# Altium PCB GSM.PcbDoc (part 1 of 2) (continued)
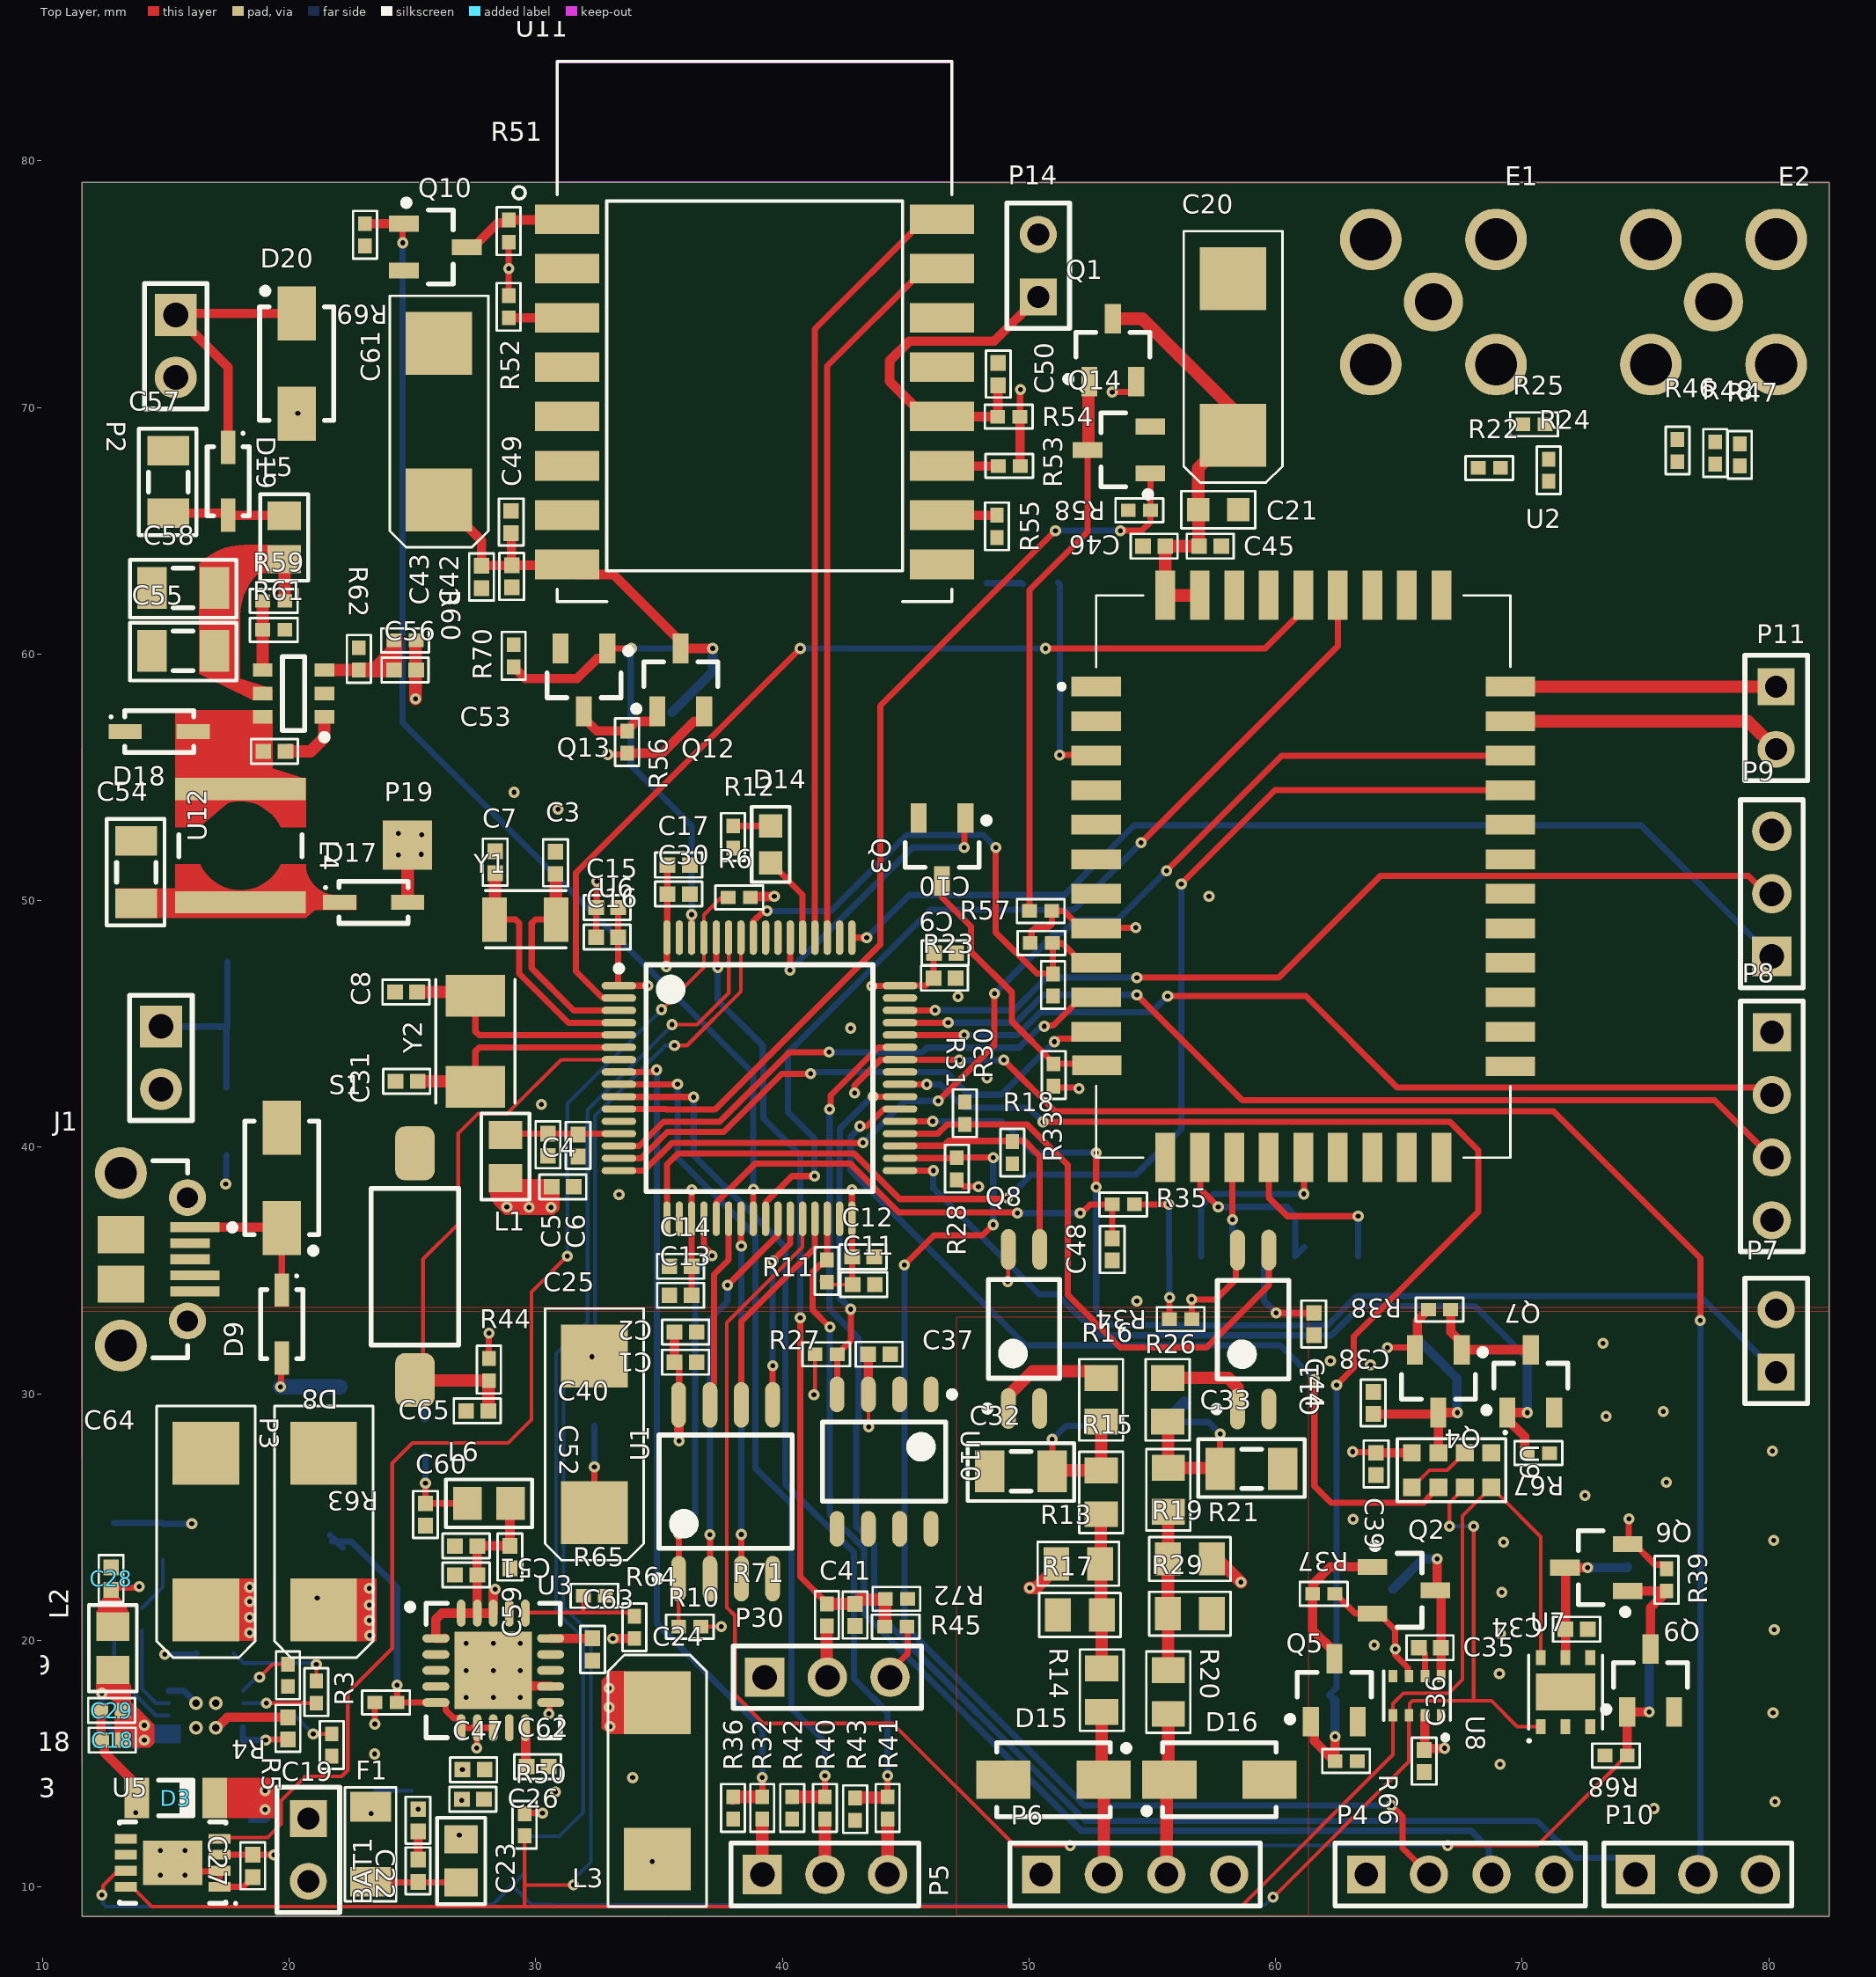
[diagram p0: Top Layer view]
## Components (designator, comment, footprint, x,y, rotation, side; value= is the part's Value field where it differs from the comment) (continued)
R22 "Res_0R" R0402 68.668,67.541 r0 top value=0R
R23 "Res_4k7" R0402 50.5,48.275 r180 top value=4k7
R24 "Res_0R" R0402 71.075,67.45 r90 top value=0R
R25 "Res_0R" R0402 70.481,69.316 r0 top value=0R
R26 "Res_1K2" R0805 55.625,29.75 r90 top value=1K2
R27 "Res_4k7" R0402 41.8,34.975 r270 top value=4k7
R28 "Res_4k7" R0402 47.075,39.125 r270 top value=4k7
R29 "Res_4k7" R0805 56.525,21.075 r180 top value=4k7
R30 "Res_4k7" R0402 50.975,46.575 r90 top value=4k7
R31 "Res_4k7" R0402 47.4,41.375 r270 top value=4k7
R32 "Res_10K" R0402 39.185,13.2 r270 top value=10K
R33 "Res_1K" R0402 51,42.925 r270 top value=1K
R34 "Res_10K" R0402 56.15,33.025 r0 top value=10K
R35 "Res_1K" R0402 53.825,37.675 r180 top value=1K
R36 "Res_10K" R0402 38,13.2 r90 top value=10K
R37 "Res_1K" R0402 61.952,21.883 r0 top value=1K
R38 "Res_1K" R0402 66.65,33.407 r180 top value=1K
R39 "Res_1K" R0402 75.857,22.447 r90 top value=1K
R40 "Res_10K" R0402 41.725,13.2 r270 top value=10K
R41 "Res_10K" R0402 44.265,13.2 r270 top value=10K
R42 "Res_10K" R0402 40.4,13.2 r90 top value=10K
R43 "Res_10K" R0402 42.95,13.15 r90 top value=10K
R44 "Res_10K" R0402 28.1,30.975 r90 top value=10K
R45 "Res_10K" R0402 44.6,20.55 r0 top value=10K
R46 "Res_0R" R0402 76.3,68.25 r90 top value=0R
R47 "Res_0R" R0402 78.825,68.075 r90 top value=0R
R48 "Res_0R" R0402 77.825,68.15 r90 top value=0R
R49 "Res_4k7" R0402 29.55,12.5 r90 bottom value=4k7
R50 "Res_4k7" R0402 29.544,12.515 r90 top value=4k7
R51 "Res_1K" R0402 28.902,77.149 r270 top value=1K
R52 "Res_10K" R0402 28.902,74.08 r90 top value=10K
R53 "Res_10K" R0402 49.202,67.625 r0 top value=10K
R54 "Res_10K" R0402 49.177,69.625 r0 top value=10K
R55 "Res_10K" R0402 48.702,65.175 r90 top value=10K
R56 "Res_1K" R0402 33.702,56.425 r270 top value=1K
R57 "Res_1K" R0402 50.475,49.575 r0 top value=1K
R58 "Res_10K" R0402 54.475,65.825 r0 top value=10K
R59 "Res_43K" R0402 19.375,62.15 r0 top value=43K
R60 "Res_124K" R0402 24.7,60.55 r0 top value=124K
R61 "Res_10K" R0402 19.375,60.975 r180 top value=10K
R62 "Res_24K" R0402 22.825,59.8 r270 top value=24K
R63 "Res_0R" R0402 23.925,17.475 r0 top value=0R
R64 "Res_3K57" R0402 34,20.525 r270 top value=3K57
R65 "Res_1K15" R0402 32.375,21.8 r180 top value=1K15
R66 "Res_10K" R0402 62.859,15.1 r180 top value=10K
R67 "Res_10K" R0402 70.658,27.589 r180 top value=10K
R68 "Res_10K" R0402 73.807,15.322 r0 top value=10K
R69 "Res_10K" R0402 23.075,77 r90 top value=10K
R70 "Res_10K" R0402 29.102,59.925 r270 top value=10K
R71 "Res_220R" R0402 41.807,21.025 r90 top value=220R
R72 "Res_10K" R0402 44.625,21.675 r180 top value=10K
S1 "switch" "TACK SWITCH 2-PAD" 25.1,35.15 r0 top
U1 "W25Q128JVSIQ" SOIC8_208-mil 37.7,26.025 r90 top
U2 "Aithinker GSMA7" A7 60.875,50.975 r90 top
U3 "TPS74401" PVQFN20 28.275,18.775 r0 top
U4 "MCP73833" "DFN 3x3" 16.625,16.95 r0 bottom
U5 "LC709203F" WDFN8 15.275,10.975 r180 top
U6 "STM32L552RCT6" LQFP64 39.069,42.795 r0 top
U7 "SHT20" DFN6 71.757,17.897 r90 top
U8 "BMP280" LGA8 65.734,17.75 r270 top
U9 "VCNL4040" VCNL4040M3OE 67.138,26.9 r270 top
U10 "DS18B20" SO8 44.123,27.245 r270 top
U11 "ESP-07" ESP-07 38.875,70.63 r0 top
U12 "MP2451" SOT23-6 20.175,58.4 r180 top
Y1 "XTAL 32.768KHz" XTAL_FC-13A 29.58,49.23 r0 top value=8MHz
Y2 "XTAL 8MHz crystal" XTAL500X320X120 27.55,44.29 r90 top value=8MHz

## Footprints (in the part's own frame and the unit in brackets; to place one, negate y for a bottom-side part, rotate by r counter-clockwise, add the part's x,y. Pads: shape width x height; smd on the part's side, far side on the other; paste and mask are expansions set on the pad)
0603LedRed [mm] "Chip Led 2-Leads, Body 1,60x0,85mm, IPC Medium Density"
  rect 0.95x0.95 smd: 1(-0.75,0) 2(0.75,0)
  silkscreen extent -1.53,-0.77 1.53,0.77, body extent -0.85,-1.1 0.85,0.45, height 0.9
0805FerriteBead [mm] "Chip Ferrite Bead, 2-Leads, Body 2,00x1,25mm, IPC Medium Density"
  rect 1.15x1.35 smd: 1(-0.875,0) 2(0.875,0)
  silkscreen extent -1.75,-0.97 1.75,0.97, body extent -1,-0.6 1,0.6, height 0.92
A7 [mm]
  rect 0.8x2 smd: 1(7.7,8.15) 2(6.3,8.15) 3(4.9,8.15) 4(3.5,8.15) 5(2.1,8.15) 6(0.7,8.15) 7(-0.7,8.15) 8(-2.1,8.15) 9(-3.5,8.15) 10(-4.9,8.15) 11(-6.3,8.15) 12(-7.65,8.125) 22(-7.7,-8.65) 23(-6.3,-8.65) 24(-4.9,-8.65) 25(-3.5,-8.65) 26(-2.1,-8.65) 27(-0.7,-8.65) 28(0.7,-8.65) 29(2.1,-8.65) 30(3.5,-8.65) 31(4.9,-8.65) 32(6.3,-8.65) 33(7.7,-8.65)
  rect 2x0.8 smd: 13(-11.4,5.35) 14(-11.4,3.95) 15(-11.4,2.55) 16(-11.4,1.15) 17(-11.4,-0.25) 18(-11.4,-1.65) 19(-11.4,-3.05) 20(-11.4,-4.45) 21(-11.4,-5.85) 34(11.4,-5.85) 35(11.4,-4.45) 36(11.4,-3.05) 37(11.4,-1.65) 38(11.4,-0.25) 39(11.4,1.15) 40(11.4,2.55) 41(11.4,3.95) 42(11.4,5.35)
  silkscreen extent -11.4,-8.65 11.4,9.65, body extent -11.38,-8.65 11.42,8.15, height 3.21
C0402 [mm] "Chip Capacitor, 2-Leads, Body 1,00x0,50mm, IPC Medium Density"
  rect 0.64x0.62 smd: 1(-0.45,0) 2(0.45,0)
  silkscreen extent -0.95,-0.5 0.95,0.5, body extent -0.55,-0.28 0.55,0.28, height 0.4
C0603 [mm] "Chip Capacitor, 2-Leads, Body 1,60x0,80mm, IPC Medium Density"
  rect 0.9x0.95 smd: 1(-0.813,0) 2(0.813,0)
  silkscreen extent -1.5,-0.75 1.5,0.75, body extent -0.85,-0.45 0.85,0.45, height 0.5
C1206 [mm] "Chip Capacitor, 2-Leads, Body 3,20x1,60mm, IPC Medium Density"
  rect 1.2x1.7 smd: 1(-1.27,0) 2(1.27,0)
  silkscreen extent -2.16,-1.2 2.16,1.14, body extent -1.6,-1.75 1.6,0.8, height 1
CAP-D [mm]
  rect 2.55x2.7 smd: 1(-3.175,0) 2(3.175,0)
  silkscreen extent -5.1,-2 5.1,2, body extent -3.7,-2.22 3.7,2.22, height 3.01
DFN6 [mm]
  rect 0.6x0.4 smd: 1(-1.4,1) 2(-1.4,0) 3(-1.4,-1) 4(1.4,-1) 5(1.4,0) 6(1.4,1)
  rect 1.5x2.4 smd: 7(0,0)
  silkscreen extent -2.02,-1.5 1.5,1.52, body extent -1.51,-1.5 1.51,1.5, height 1.1
"DFN 3x3" [mm] "SON, 10-Leads, Body 3,00x3,00mm, Pitch 0,50mm, Thermal Pad 2,38x1,55mm, IPC Medium Density"
  rect 0.95x0.25 smd: 1(-1.5,1) 2(-1.5,0.5) 3(-1.5,0) 4(-1.5,-0.5) 5(-1.5,-1) 6(1.5,-1) 7(1.5,-0.5) 8(1.5,0) 9(1.5,0.5) 10(1.5,1)
  rect 1.55x2.38 smd: 11(0,0)
  silkscreen extent -2.69,-1.65 1.65,1.83, body extent -1.58,-1.58 1.58,1.58, height 1
ESP-07 [mm]
  rect 2.6x1.2 smd: 1(-7.6,7) 2(-7.6,5) 3(-7.6,3) 4(-7.6,1) 5(-7.6,-1) 6(-7.6,-3) 7(-7.6,-5) 8(-7.6,-7) 9(7.6,-7) 10(7.6,-5) 11(7.6,-3) 12(7.6,-1) 13(7.6,1) 14(7.6,3) 15(7.6,5) 16(7.6,7)
  Keep-Out Layer region: -8.009,13.35 8,13.35 8,8.51 -8.009,8.51
  silkscreen extent -9.8,-8.5 8,13.4, body extent -8.01,-8.66 8,13.34, height 3.5
HDR1X2 [mm] "Connector; Header; 2 Position"
  rect 1.5x1.5 hole 0.9: 1(0,0)
  round 1.5 hole 0.9: 2(2.54,0)
  silkscreen extent -1.27,-1.27 3.81,1.27, body extent -1.27,-1.27 3.81,1.27, height 6.04
HDR1x2_screw [mm] "Connector; Header; 2 Position"
  rect 1.7x1.7 hole 1: 1(0,0)
  round 1.7 hole 1: 2(2.54,0)
  silkscreen extent -1.27,-1.27 3.81,1.27, body extent -1.49,-3.13 4.05,3.08, height 8.5
HDR1X3 [mm] "Connector; Header; 3 Position"
  rect 1.6x1.6 hole 1: 1(0,0)
  round 1.6 hole 1: 2(2.54,0) 3(5.08,0)
  silkscreen extent -1.27,-1.27 6.35,1.27, body extent -1.28,-1.25 6.34,1.24, height 8.54
HDR1X4 [mm] "Connector; Header; 4 Position"
  rect 1.55x1.55 hole 0.95: 1(0,0)
  round 1.55 hole 0.95: 2(2.54,0) 3(5.08,0) 4(7.62,0)
  silkscreen extent -1.27,-1.27 8.89,1.27, body extent -1.27,-1.24 8.89,1.25, height 8.54
LGA8 [mm]
  rect 0.5x0.35 smd: 1(0.8,0.975) 2(0.8,0.325) 3(0.8,-0.325) 4(0.8,-0.975) 5(-0.8,-0.975) 6(-0.8,-0.325) 7(-0.8,0.325) 8(-0.8,0.975)
  silkscreen extent -1,-1.35 1.79,1.35, body extent -1,-1.25 1,1.25, height 1
LQFP64 [mm] "LQFP, 64-Leads, Body 10,00x10,00mm, Pitch 0,50mm, IPC Medium Density"
  oval 1.4x0.3 smd: 1(-5.7,3.75) 2(-5.7,3.25) 3(-5.7,2.75) 4(-5.7,2.25) 5(-5.7,1.75) 6(-5.7,1.25) 7(-5.7,0.75) 8(-5.7,0.25) 9(-5.7,-0.25) 10(-5.7,-0.75) 11(-5.7,-1.25) 12(-5.7,-1.75) 13(-5.7,-2.25) 14(-5.7,-2.75) 15(-5.7,-3.25) 16(-5.7,-3.75) 33(5.7,-3.75) 34(5.7,-3.25) 35(5.7,-2.75) 36(5.7,-2.25) 37(5.7,-1.75) 38(5.7,-1.25) 39(5.7,-0.75) 40(5.7,-0.25) 41(5.7,0.25) 42(5.7,0.75) 43(5.7,1.25) 44(5.7,1.75) 45(5.7,2.25) 46(5.7,2.75) 47(5.7,3.25) 48(5.7,3.75)
  oval 0.3x1.4 smd: 17(-3.75,-5.7) 18(-3.25,-5.7) 19(-2.75,-5.7) 20(-2.25,-5.7) 21(-1.75,-5.7) 22(-1.25,-5.7) 23(-0.75,-5.7) 24(-0.25,-5.7) 25(0.25,-5.7) 26(0.75,-5.7) 27(1.25,-5.7) 28(1.75,-5.7) 29(2.25,-5.7) 30(2.75,-5.7) 31(3.25,-5.7) 32(3.75,-5.7) 49(3.75,5.7) 50(3.25,5.7) 51(2.75,5.7) 52(2.25,5.7) 53(1.75,5.7) 54(1.25,5.7) 55(0.75,5.7) 56(0.25,5.7) 57(-0.25,5.7) 58(-0.75,5.7) 59(-1.25,5.7) 60(-1.75,5.7) 61(-2.25,5.7) 62(-2.75,5.7) 63(-3.25,5.7) 64(-3.75,5.7)
  silkscreen extent -5.82,-4.6 4.6,4.6, body extent -5.99,-6.01 6.01,5.99, height 1.6
MicroUSB [mm]
  rect 0.4x2 smd paste+0 mask+0: 1(-1.3,2.7) 4(0.65,2.7) 5(1.3,2.7)
  rect 0.4x1.6 smd paste+0 mask+0: 2(-0.65,2.51) 3(0,2.51)
  round 1.5 hole 0.85 paste-1000 mask+0: 6(-2.5,2.4) 7(2.5,2.4)
  round 2.1 hole 1.3 paste-1000 mask+0: 8(-3.5,-0.3) 11(3.5,-0.3)
  rect 1.5x1.9 smd paste+0 mask+0: 9(-1,-0.3) 10(1,-0.3)
  silkscreen extent -4,1 4,4.34, body extent -4.1,-2.8 4.1,2.63, height 2.68
miniMELF [mm] "MELF Diode, 2-Leads, Body 3,50x1,50mm, IPC High Density"
  rect 1x1.65 smd: 1(-1.575,0) 2(1.575,0)
  silkscreen extent -0.7,-0.72 0.7,0.72, body extent -1.82,-0.8 1.88,0.8, height 1.6
"pin smd" [mm] "Chip Resistor, 2-Leads, Body 1,60x0,80mm, IPC Medium Density"
  rect 2x2 smd: 1(0,0)
PVQFN20 [mm] "QFN, 20-Leads, Body 5,00x5,00mm, Pitch 0,65mm, Thermal Pad 3,15x3,15mm, IPC Medium Density"
  oval 1.1x0.35 smd: 1(-2.325,1.3) 2(-2.325,0.65) 3(-2.325,0) 4(-2.325,-0.65) 5(-2.325,-1.3) 11(2.325,-1.3) 12(2.325,-0.65) 13(2.325,0) 14(2.325,0.65) 15(2.325,1.3)
  oval 0.35x1.1 smd: 6(-1.3,-2.325) 7(-0.65,-2.325) 8(0,-2.325) 9(0.65,-2.325) 10(1.3,-2.325) 16(1.3,2.325) 17(0.65,2.325) 18(0,2.325) 19(-0.65,2.325) 20(-1.3,2.325)
  rect 3.15x3.15 smd: 21(0,0)
  silkscreen extent -3.5,-2.73 2.73,2.72, body extent -2.5,-2.5 2.5,2.5, height 0.92
R0402 [mm] "Chip Resistor, 2-Leads, Body 1,00x0,50mm, IPC Medium Density"
  rect 0.6x0.55 smd: 1(-0.45,0) 2(0.45,0)
  silkscreen extent -0.97,-0.48 0.97,0.48, body extent -0.52,-0.3 0.52,0.3, height 0.34
R0805 [mm] "Chip Resistor, 2-Leads, Body 2,00x1,25mm, IPC Medium Density"
  rect 1.05x1.35 smd: 1(-0.889,0) 2(0.889,0)
  silkscreen extent -1.65,-0.89 1.65,0.89, body extent -1.15,-0.67 1.15,0.68, height 0.76
R1206 [mm] "Chip Resistor, 2-Leads, Body 3,15x1,55mm, IPC Medium Density"
  rect 1.2x1.65 smd: 1(-1.524,0) 2(1.524,0)
  silkscreen extent -2.31,-1.04 2.31,1.04, body extent -1.67,-0.86 1.68,0.87, height 0.85
"SIM TRAY" [mm] "47553-0001 MOLEX SIM TRAY"
  rect 2.3x1 smd: 1(1.25,-0.6) 2(1.25,-1.875) 3(1.25,-3.15) 4(1.25,-4.425) 5(1.25,-5.7) 6(1.25,-6.975) 7(1.25,-8.25) 8(1.25,-9.525)
  body extent 0.4,-14 26.9,6.95, height 1.94
SMA [mm] "Molded Diode, 2-Leads, Body 4,28x2,60mm, IPC High Density"
  rect 2.2x1.55 smd: 1(-2.032,0) 2(2.032,0)
  silkscreen extent -2.3,-1.5 3.08,1.5, body extent -2.6,-1.3 2.6,1.3, height 2.45
"SMA connector" [mm] "SMA antena connector"
  round 2.4 hole 1.5: 1(0,0)
  round 2.5 hole 1.7: ""(-2.54,-2.54) ""(-2.54,2.54) ""(2.54,-2.54) ""(2.54,2.54)
  body extent -3.5,-3.5 3.5,3.5, height 9.63
SO4 [mm]
  oval 1.65x0.6 smd: 1(-3.225,0.635) 2(-3.225,-0.635) 3(3.225,-0.635) 4(3.225,0.635)
  silkscreen extent -3.35,-1.45 2,1.61, body extent -3.5,-1.3 3.5,1.3, height 2.1
SO8 [mm] "SO8 8-Leads, Body 4,90x3,90mm, Pitch 1,27mm, IPC Medium Density"
  oval 1.45x0.6 smd: 1(-2.725,1.905) 2(-2.725,0.635) 3(-2.725,-0.635) 4(-2.725,-1.905) 5(2.725,-1.905) 6(2.725,-0.635) 7(2.725,0.635) 8(2.725,1.905)
  silkscreen extent -2.85,-2.5 1.6,2.88, body extent -3.02,-2.45 2.98,2.45, height 1.75
SOD-123A [mm] "SOD-123A, 2-Leads, Body 1,60x3,70mm, IPC High Density"
  rect 1.35x0.6 smd: 1(-1.375,0) 2(1.375,0)
  silkscreen extent -2,-0.85 1.4,0.85, body extent -1.93,-0.85 1.92,0.85, height 1.42
SOIC8_208-mil [mm]
  oval 1.85x0.6 smd: 1(-3.525,1.905) 2(-3.525,0.635) 3(-3.525,-0.635) 4(-3.525,-1.905) 5(3.525,-1.905) 6(3.525,-0.635) 7(3.525,0.635) 8(3.525,1.905)
  silkscreen extent -3.65,-2.7 2.3,2.88, body extent -4.08,-2.7 4.12,2.7, height 2.15
SOT23 [mm] "SOT23, 3-Leads, Body 2,90x2,45mm, Pitch 0,95mm, IPC Medium Density"
  rect 1.2x0.65 smd: 1(-1.3,0.95) 2(-1.3,-0.95) 3(1.25,0)
  silkscreen extent -1.32,-1.5 0.7,1.92, body extent -1.3,-1.5 1.3,1.5, height 1.1
SOT23-6 [mm] "SOT23, 6-Leads, Body 2,90x2,80mm, Pitch 0,95mm, IPC High Density"
  rect 0.8x0.55 smd: 1(-1.25,0.95) 2(-1.25,0) 3(-1.25,-0.95) 4(1.25,-0.95) 5(1.25,0) 6(1.25,0.95)
  silkscreen extent -1.38,-1.5 0.45,1.9, body extent -1.4,-1.45 1.4,1.45, height 1.45
"TACK SWITCH 2-PAD" [mm]
  rrect50% 1.6x2.19 smd: 1(0,4.595) 2(0,-4.595)
  silkscreen extent -1.78,-3.18 1.78,3.17, body extent -1.75,-4.98 1.75,4.98, height 4.42
VCNL4040M3OE [mm]
  rect 0.7x0.725 smd: 1(-0.7,1.613) 2(-0.7,0.537) 3(-0.7,-0.537) 4(-0.7,-1.612) 5(0.7,-1.613) 6(0.7,-0.537) 7(0.7,0.538) 8(0.7,1.613)
  silkscreen extent -1.57,-2.2 1.28,2.22, body extent -1,-2 1,2, height 1.1
WDFN8 [mm] "WDFN8 , 8-Leads, Body 3,00x4,00mm, Pitch 0,65mm, Thermal Pad 1,80x2,40mm, IPC Low Density"
  rect 0.9x0.4 smd: 1(-1.9,0.975) 2(-1.9,0.325) 3(-1.9,-0.325) 4(-1.9,-0.975) 5(1.9,-0.975) 6(1.9,-0.325) 7(1.9,0.325) 8(1.9,0.975)
  rect 2.4x1.8 smd: 9(0,0)
  silkscreen extent -2.6,-1.65 2.15,1.7, body extent -2,-1.5 2,1.5, height 0.8
WE-TPC_4828 [mm] "Power Inductor, SMD, 2-Leads, body 4.8x4.8mm"
  rect 5.3x0.9 smd paste-403.566 mask-403.566: 1(0,2.3) 2(0,-2.3)
  Top Layer region: 2.65,-0.75 1.636,-0.75 1.636,-0.75 1.138,-1.394 0.407,-1.753 -0.407,-1.753 -1.138,-1.394 -1.636,-0.75 -1.636,-0.75 -2.65,-0.75 -2.65,-0.75 -2.65,-2.75 2.65,-2.75
  Top Layer region: -2.65,0.75 -1.636,0.75 -1.636,0.75 -1.138,1.394 -0.407,1.753 0.407,1.753 1.138,1.394 1.636,0.75 1.636,0.75 2.65,0.75 2.65,0.75 2.65,2.75 -2.65,2.75
  silkscreen extent -2.5,-0.45 2.5,0.45, body extent -2.4,-2.4 2.4,2.4, height 2.8
XTAL500X320X120 [mm]
  rect 1.7x2.4 smd: 1(-1.85,0) 2(1.85,0)
  silkscreen extent -2.5,-1.6 2.5,1.6, body extent -2.5,-1.58 2.5,1.62, height 1.25
XTAL_FC-13A [mm]
  rect 1x1.8 smd: 1(-1.25,0) 2(1.25,0)
  silkscreen extent -1.63,-1.15 1.65,1.17, body extent -1.6,-0.7 1.6,0.8, height 0.8

## Part data
BAT1 P2 P3 P7 P11 P14: "Header, 2-Pin", LatestRevisionDate=17-Jul-2002, LatestRevisionNote="Re-released for DXP Platform.", Publisher="Altium Limited"
C1 C2 C3 C4 C5 C6 C7 C8 C9 C10 C11 C12 C13 C14 C15 C16 C17 C18 C19 C21 C22 C23 C26 C27 C28 C29 C30 C31 C32 C33 C34 C35 C36 C37 C38 C39 C40 C41 C42 C43 C44 C45 C46 C47 C48 C49 C50 C51 C52 C53 C54 C55 C56 C57 C58 C59 C60 C62 C63: "Capacitor"
C20 C24 C25 C61 C64 C65: "Polarized Tantalum Capacitor"
D1 D9 D12 D15 D16 D20: library part TVS_bidirectional, "SMAJ40CA", ComponentLink1Description=datasheet, ComponentLink1URL=https://datasheet.lcsc.com/szlcsc/1912111437_Jiangsu-JieJie-Microelectronics-SMAJ40CA_C364660.pdf, LatestRevisionDate=17-Jul-2002, LatestRevisionNote="Re-released for DXP Platform.", PackageDescription="Diode, Thru-Hole; 2 Leads; 0.7 in Pin Spacing", PackageReference=DIODE-0.7, Published=8-Jun-2000, Publisher="Altium Limited"
D2 D4 D5 D6 D7 D13 D14: "Typical RED GaAs LED", LatestRevisionDate=08-Jul-2005, LatestRevisionNote="Mech Layer 1 removed.", PackageDescription="LED; 2 Leads", PackageReference=LED-1, Published=8-Jun-2000, Publisher="Altium Limited"
D3 D11: library part "Diode Zener", ComponentLink1Description=farnell, ComponentLink1URL=https://pl.farnell.com/on-semiconductor/mm3z5v6st1g/zener-diode-5-6v-sod-323/dp/2463484, LatestRevisionDate=17-Jul-2002, LatestRevisionNote="Re-released for DXP Platform.", PackageDescription="Diode, Thru-Hole; 2 Leads; 0.7 in Pin Spacing", PackageReference=DIODE-0.7, Published=8-Jun-2000, Publisher="Altium Limited"
D8 D10 D18 D19: library part "Diode Schottky", "Schottky Rectifier", ComponentLink1Description=octopart, ComponentLink1URL=https://octopart.com/rb161mm-20tr-rohm-50255147?r=sp&s=49MKJYpmTviEGZkvRDL2JQ, DatasheetVersion=Dec-1997, LatestRevisionDate=17-Jul-2002, LatestRevisionNote="Re-released for DXP Platform.", Note="Terminal 2 is the TAB and is electrically connected to the cathode", PackageDescription="TO, Thru-Hole, Vertical, Heatsink Mounted; 3 In-Line Leads (1 Absent); Pitch 2.54 mm", PackageReference=TO-220AC, PackageVersion=Feb-1998, Published=8-Jun-2000, Publisher="Altium Limited"
D17: "Schottky Diode", Code_JEDEC=DO-214-AA, LatestRevisionDate=17-Jul-2002, LatestRevisionNote="Re-released for DXP Platform.", PackageDescription="DO-214-AA/SMB; 2 C-Bend Leads; Body 5.3 x 3.6 mm, inc. leads (LxW)", PackageReference=SMB, Published=8-Jun-2000, Publisher="Altium Limited"
E1 E2: "Generic Antenna", ComponentLink1Description=tme, ComponentLink1URL=https://www.tme.eu/pl/details/rf2-19a-t-00-50-g/zlacza-sma-smb-smc/adam-tech/, LatestRevisionDate=17-Jul-2002, LatestRevisionNote="Re-released for DXP Platform.", PackageReference=PIN1, Published=24-Mar-1999, Publisher="Altium Limited"
F1: library part Fuse_2A, "Fuse / 2850030", ComponentLink1Description=farnell, ComponentLink1URL=https://pl.farnell.com/multicomp/mccfb1206ttt-2/fuse-smd-2a-slow-blow-1206/dp/2850030, LatestRevisionDate=17-Jul-2002, LatestRevisionNote="Re-released for DXP Platform.", PackageDescription="Thru-Hole; 2 Leads", PackageReference=PIN-W2/E2.8, Published=8-Jun-2000, Publisher="Altium Limited"
L1 L2 L3 L5 L6: library part "Ferrite bead 120R", "Ferrite bead", ComponentLink1Description="Ferrite bead TDK MMZ2012Y300B", ComponentLink1URL=https://www.tme.eu/pl/details/mmz2012y300b/ferryty-koraliki/tdk/, LatestRevisionDate=17-Jul-2002, LatestRevisionNote="Re-released for DXP Platform.", PackageDescription="Axial Device, Thru-Hole; 2 Leads; 0.9 in Pin Spacing", PackageReference=AXIAL-0.9, Published=24-Mar-1999, Publisher="Altium Limited"
L4: "WE 744 043 180", Code_IEC=1005, Code_JEITA=0402, LatestRevisionDate=29-May-2009, LatestRevisionNote="IPC-7351 Footprint Added.", PackageDescription="Chip Inductor", PackageReference=0402-A, Published=8-Jun-2000, Publisher="Altium Limited"
P1: "SIM card connector", ComponentLink1Description=tme, ComponentLink1URL=https://www.tme.eu/pl/details/mx-47553-0001/zlacza-do-kart/molex/47553-0001/, ComponentLink2Description=molex, ComponentLink2URL=https://www.molex.com/molex/products/part-detail/memory_card_socket/0475530001
P4 P6 P8: "Header, 4-Pin", LatestRevisionDate=17-Jul-2002, LatestRevisionNote="Re-released for DXP Platform.", Publisher="Altium Limited"
P5 P9 P10 P30: "Header, 3-Pin", LatestRevisionDate=17-Jul-2002, LatestRevisionNote="Re-released for DXP Platform.", Publisher="Altium Limited"
Q1 Q2 Q4 Q6 Q12: library part MOSFET-P, "P-Channel MOSFET AO3401A", ComponentLink1Description=datasheet, ComponentLink1URL=https://datasheet.lcsc.com/szlcsc/Alpha-Omega-Semicon-AOS-AO3401A_C15127.pdf, LatestRevisionDate=17-Jul-2002, LatestRevisionNote="Re-released for DXP Platform.", PackageDescription="TO, Flat Index; 3 In-Line, Axial Leads; Body Dia. 4.6mm; Lead Dia. 0.5 mm (max)", PackageReference=E3, PackageVersion=1995/1996, Published=8-Jun-2000, Publisher="Altium Limited"
Q3 Q5 Q7 Q9 Q10 Q13 Q14: library part MOSFET-N, "N-MOSFET AO3400A", ComponentLink1Description=datasheet, ComponentLink1URL=https://datasheet.lcsc.com/szlcsc/1908271131_Youtai-Semiconductor-Co-Ltd-AO3400A_C347475.pdf, LatestRevisionDate=17-Jul-2002, LatestRevisionNote="Re-released for DXP Platform.", PackageDescription="TO, Flat Index; 3 In-Line, Axial Leads; Body Dia. 4.6mm; Lead Dia. 0.5 mm (max)", PackageReference=E3, PackageVersion=1995/1996, Published=8-Jun-2000, Publisher="Altium Limited"
Q8 Q11: "OPTO  TLP291", ComponentLink1Description=datasheet, ComponentLink1URL=https://datasheet.lcsc.com/szlcsc/TOSHIBA-TLP291-GB-TP-SE-T_C55144.pdf
R1 R2 R3 R4 R5 R6 R7 R8 R9 R10 R11 R12 R13 R14 R15 R16 R17 R18 R19 R20 R21 R22 R23 R24 R25 R26 R27 R28 R29 R30 R31 R32 R33 R34 R35 R36 R37 R38 R39 R40 R41 R42 R43 R44 R45 R46 R47 R48 R49 R50 R51 R52 R53 R54 R55 R56 R57 R58 R59 R60 R61 R62 R63 R64 R65 R66 R67 R68 R69 R70 R71 R72: "Resistor"
S1: "Switch", LatestRevisionDate=17-Jul-2002, LatestRevisionNote="Re-released for DXP Platform.", PackageDescription="Switch; 2 Leads", PackageReference=SPST-2, Published=24-Mar-1999, Publisher="Altium Limited"
U1: library part flash_memory, "SPI Flash  memory 128MB", ComponentLink1Description=tme, ComponentLink1URL=https://datasheet.lcsc.com/szlcsc/Winbond-Elec-W25Q128JVSIQTR_C97521.pdf
U2: library part GSM_A7, "Aitkinker GSM A7 module", I/Os (High Current)=37, Manufacturer=STMicroelectronics, Operating Frequency(F) (Processor speed) (MHz)=32, PartNumber=STM32L152CCU6, Supply Voltage(Vcc) min (V)=1.65, Core="ARM Cortex-M3", D/A Converter="2x12-bit (2 Channel)", Data E2PROM nom (B)=8192, DatasheetVersion="Rev. 3", Display controller="LCD 4x18", FLASH Size (Prog) (kB)=256, Internal RAM Size (kB)=32, Mounting Technology="Surface Mount", PackageDescription="48-Pin Ultra Thin Fine Pitch Quad Flat No-Lead, 7 x 7 x 0.6 mm Body, 0.5 mm Pitch, Exposed Pad", PackageReference=UFQFPN48, PackageVersion="Rev. 1, 04/2013", Packing=Tray
U3: "Very Low Dropout Regulator", ComponentLink1Description=datasheet, ComponentLink1URL=https://datasheet.lcsc.com/szlcsc/Texas-Instruments-TI-TPS74401RGWR_C138728.pdf
U4: "Li-Ion, Li-Polymer Charge Management Controller", PartNumber=MCP73831T-2ATI/OT, Code_IPC=SOT23-5, ComponentLink1Description=octopart, ComponentLink1URL=https://octopart.com/mcp73833-fci%2Fmf-microchip-664198?r=sp&s=e45vLxEIQu2vH537JitsJQ, DatasheetVersion="revE, Sep-2008", PackageDescription="5-Lead Plastic Small Outline Transistor (OT) [SOT-23]", PackageReference=SOT-23-OT5, PackageVersion="revBB, Aug-2009"
U5: "Smart LiB GaugeBattery Fuel Gauge LSI For 1-Cell Lithium-ion/Polymer (Li+)", ComponentLink1Description=Datasheet, ComponentLink1URL=https://www.onsemi.com/pub/Collateral/LC709203F-D.PDF
U6: "Arm Cortex-M33 with Trust Zone, MCU 110 MHz with 512K Flash 256K Ram memory LQFP64", I/Os (High Current)=37, Manufacturer=STMicroelectronics, Operating Frequency(F) (Processor speed) (MHz)=32, PartNumber=STM32L152CCU6, Supply Voltage(Vcc) min (V)=1.65, ComponentLink2Description=Mouser, ComponentLink2URL=https://pl.mouser.com/ProductDetail/STMicroelectronics/STM32L552RCT6?qs=sGAEpiMZZMto2ohCYbAIUUJm%252BzcpS0IxFbqkp9%2F0sPoEpVjys%2Fepxg%3D%3D, Core="ARM Cortex-M3", D/A Converter="2x12-bit (2 Channel)", Data E2PROM nom (B)=8192, DatasheetVersion="Rev. 3", Display controller="LCD 4x18", FLASH Size (Prog) (kB)=256, Internal RAM Size (kB)=32, Mounting Technology="Surface Mount", PackageDescription="48-Pin Ultra Thin Fine Pitch Quad Flat No-Lead, 7 x 7 x 0.6 mm Body, 0.5 mm Pitch, Exposed Pad", PackageReference=UFQFPN48, PackageVersion="Rev. 1, 04/2013", Packing=Tray
U7: "Humidity and Temperature SensorIC", ComponentLink1Description=Datasheet, ComponentLink1URL=https://datasheet.lcsc.com/szlcsc/Sensirion-SHT20_C53865.pdf
U8: "Digital Pressure Sensor", ComponentLink1Description=Datasheet, ComponentLink1URL=https://datasheet.lcsc.com/szlcsc/Bosch-Sensortec-BMP280_C83291.pdf
U9: "Fully Integrated Proximity and Ambient Light Sensor withInfrared Emitter, I2C Interface, and Interrupt Function", ComponentLink1Description=Datasheet, ComponentLink1URL=https://datasheet.lcsc.com/szlcsc/Vishay-Intertech-VCNL4040M3OE_C142526.pdf
U11: "AiThinker ESP-07", ComponentLink1Description=datasheet, ComponentLink1URL=http://wiki.ai-thinker.com/_media/esp8266/esp8266_series_modules_user_manual_v1.1.pdf
U12: "step down coverter", ComponentLink1Description=datasheet, ComponentLink1URL=https://www.monolithicpower.com/en/documentview/productdocument/index/version/2/document_type/Datasheet/lang/en/sku/MP2451/document_id/253/
Y1: "XTAL 32.768KHz crystal", ComponentLink1Description=Datasheet, ComponentLink1URL=https://datasheet.lcsc.com/szlcsc/1901081604_Seiko-Epson-Q13FC1350000400_C32346.pdf, LatestRevisionDate=17-Jul-2002, LatestRevisionNote="Re-released for DXP Platform.", Published=8-Jun-2000, Publisher="Altium Limited"
Y2: library part "XTAL 8MHz", "TXC Corp 7A08000001", ComponentLink1Description=Datasheet, ComponentLink1URL=http://www.txccorp.com/download/products/quartz_crystals/2015TXC_7A_28.pdf, ComponentLink2Description=JLC, ComponentLink2URL=https://jlcpcb.com/parts/componentSearch?secondSortUuid=09f7e4779fd84e989f34c78148375bf2&name=SMD%20Crystal%20Resonators&firstSortUuid=6771ff6d5925444e85b2121d008b3ccd, LatestRevisionDate=17-Jul-2002, LatestRevisionNote="Re-released for DXP Platform.", Published=8-Jun-2000, Publisher="Altium Limited"
J1: ComponentLink1Description=octopart, ComponentLink1URL=https://octopart.com/1050170001-molex-11866487?r=sp&s=Rj0fqO-uQZ6OfaPf4COaug
P12 P13 P15 P16 P17 P18 P19 P20 P21 P22 P23 P24 P25 P26 P27 P28 P29 U10: LatestRevisionDate=17-Jul-2002, LatestRevisionNote="Re-released for DXP Platform.", Publisher="Altium Limited"

## Via types
v1: diameter 0.45, hole 0.2, Top Layer to Bottom Layer, 196 vias
v2: diameter 0.45, hole 0.2, Top Layer to Bottom Layer, tented both sides, 16 vias
v3: diameter 0.5, hole 0.2, Top Layer to Bottom Layer, 13 vias
v4: diameter 0.55, hole 0.3, Top Layer to Bottom Layer, 4 vias

## Nets (pads, with @x,y where several pads share a name; then routed paths per layer and width w, separated by ;. In a path a pad name is that pad's centre, name@x,y a point inside that pad or via, vN(x,y) a via of type N, cw(c..) or ccw(c..) an arc to the next point about the centre after c; other vN are vias at no path point)
1-wire: R11.2 U6.39 U10.4 | length 14.1
  Top Layer w0.254: U10.4@42.218,29.97 42.221,29.974 42.221,31.596 R11.2@42.225,31.6 42.775,32.15 v1(42.775,33.425) ; v1(43.675,42.05) 43.677,42.048 44.767,42.048 U6.39@44.769,42.045
  Bottom Layer w0.254: 42.321,39.966 42.321,33.879 v1(42.775,33.425) ; 42.325,40 42.325,40.738 43.637,42.05 v1(43.675,42.05)
24V_INPUT: C55.2 C58.2 L5.2 R59.2 U12.5 | length 2.3
  Top Layer w0.381: C58.2@16.925,62.63 C58.2@16.97,62.675 C58.2@17.37,63.075
  Top Layer w0.508: L5.2@19.8,63.85 19.813,63.837 19.813,62.162 R59.2@19.825,62.15
+3.3V: C1.2 C2.2 C4.2 C9.2 C10.1 C11.2 C12.1 C13.2 C14.1 C15.2 C16.1 C17.2 C24.2 C25.2 C30.1 C36.2 C37.2 C39.2 C60.2 D7.1 L1.1 L6.2 P4.1 P8.1 P16.1 P30.3 Q1.2 Q2.2 Q4.2 Q6.2 Q8.4 Q11.4 Q12.2 R6.2 R10.2 R11.1 R23.2 R27.2 R28.2 R33.2 R34.2 R37.2 R38.2 R39.2 R44.2 R45.2 R49.2 R50.2 R51.2 R52.2 R53.2 R54.2 R56.2 R57.2 U1.8 U2.8 U6.1 U6.19 U6.32 U6.48 U6.64 U8.2 U8.6 U9.4 U10.3 | length 86.6
  Top Layer w0.152: R56.2@33.65,55.924 R56.2@33.702,55.975 ; R10.2@36.695,20.55 v1(37.525,20.55) ; v1(41.28,29.955) 41.325,30 R11.1@41.325,31.6 ; R27.2@41.575,34.575 R27.2@41.725,34.425 ; R27.2@41.7,34.425 R27.2@41.725,34.425 ; C11.2@42.85,34.425 42.843,34.425 R27.2@41.725,34.425 ; U10.3@43.481,29.977 U10.3@43.488,29.97 43.494,29.964 43.494,28.656 v1(43.5,28.65) ; v1(49.145,34.545) 49.155,34.555 49.155,35.84 Q8.4@49.165,35.85
  Top Layer w0.254: v1(25.525,26.375) C60.2@25.525,25.55 L6.2@27.225,25.55 L6.2@27.673,25.102 ; R44.2@28.1,31.425 v1(28.1,32.45) ; L1.1@28.768,38.741 L1.1@29.118,38.391 ; v1(28.9,75.625) R51.2@28.901,76.698 ; R52.2@28.901,74.53 v1@28.901,75.624 ; R50.2@29.544,12.965 29.574,12.995 v1(30.272,12.995) ; C25.2@32.375,25.175 v1(32.375,27.025) ; v1(32.924,55.924) R56.2@33.65,55.924 ; C15.2@33.343,49.716 C16.1@33.343,48.516 33.343,46.566 33.364,46.545 33.367,46.547 34.548,46.547 v1(34.55,46.55) ; v1(35.3,47.325) 35.31,47.335 35.31,48.486 U6.64@35.319,48.495 35.328,48.504 35.328,51.426 C17.2@35.343,51.441 ; C1.2@35.61,31.26 C1.2@35.625,31.275 ; U1.8@35.795,29.55 35.81,29.565 C1.2@35.81,31.26 ; C13.2@36.319,33.991 C14.1@36.319,35.166 ; C14.1@36.319,35.166 U6.19@36.319,37.095 36.322,37.098 36.322,38.272 v1(36.325,38.275) ; v1(42.825,38.275) 42.822,38.272 42.822,37.098 U6.32@42.819,37.095 42.828,37.086 42.828,34.44 C11.2@42.843,34.425 ; v1(43.625,46.525) 43.636,46.536 44.76,46.536 U6.48@44.769,46.545 44.778,46.554 45.819,46.554 46.115,46.85 C10.1@46.125,46.85 46.137,46.862 46.137,47.863 C9.2@46.15,47.875 ; P30.3@44.365,18.5 44.365,18.75 45.075,19.46 45.075,20.525 R45.2@45.05,20.55 ; R28.2@47.075,38.675 47.075,38.65 47.223,38.502 47.248,38.502 47.344,38.406 47.944,38.406 v1(47.95,38.4) ; R54.2@49.627,69.625 49.638,69.637 49.638,70.713 v1(49.65,70.725) ; R23.2@50.05,48.275 50.1,48.325 50.1,48.751 50.249,48.9 50.776,48.9 50.925,49.049 R57.2@50.925,49.575 51.425,49.575 52.125,48.875 U2.8@52.725,48.875 52.75,48.9 v1(54.325,48.9) ; R33.2@50.963,42.438 50.989,42.413 51.987,42.413 v1(52.025,42.375) ; v1(53.377,70.624) 54.152,70.624 54.35,70.822 Q1.2@54.35,71.05 ; R34.2@56.6,33.025 v1(56.6,33.825) 57.584,33.825 58.389,34.63 58.389,35.724 Q11.4@58.49,35.825 ; R37.2@62.402,21.883 62.427,21.883 63.235,21.075 Q2.2@63.934,21.075 63.925,21.066 64.209,21.066 64.85,20.425 v1(64.85,19.65) 64.85,19.4 65.361,18.889 65.361,18.598 U8.6@65.409,18.55 ; v1(63.13,27.645) 63.152,27.623 64.052,27.623 C39.2@64.075,27.6 ; v1(64.53,31.87) 65.562,31.87 Q4.2@65.65,31.782 ; v1(74.328,24.922) 74.328,23.943 Q6.2@74.282,23.897 74.557,23.897 75.384,23.07 75.709,23.07 75.857,22.922 R39.2@75.857,22.897
  Top Layer w0.381: R56.2@33.702,55.975 35.128,55.975 36.417,57.264 36.692,57.264 36.827,57.399 Q12.2@36.827,57.674 ; C24.2@34.85,17.475 C24.2@34.925,17.475 ; C1.2@35.623,31.275 35.623,32.499 C2.2@35.625,32.5 ; U1.8@35.795,29.55 35.8,29.545 35.8,28.085 v1(35.805,28.08) ; R6.2@38.7,50.125 38.737,50.162 39.662,50.162 v1(39.675,50.175) ; C37.2@43.475,31.6 43.481,31.593 U10.3@43.481,29.977 ; R54.2@49.627,69.625 49.639,69.612 49.639,67.638 R53.2@49.652,67.625 ; R33.2@50.963,42.438 R33.2@51,42.475 ; R37.2@62.402,21.883 R37.2@62.427,21.883 ; C39.2@64.075,27.6 U9.4@65.525,27.6 ; Q4.2@65.516,31.589 65.65,31.724 Q4.2@65.65,31.782 65.746,31.879 65.746,32.954 66.09,33.298 66.091,33.323 66.175,33.407 R38.2@66.2,33.407 ; U8.2@66.044,16.965 U8.2@66.059,16.95 66.047,16.937 66.047,15.612 66.045,15.611 66.048,15.609 66.84,15.609 v1(66.853,15.622)
  Bottom Layer w0.254: D7.1@25.5,27.52 25.525,27.495 v1(25.525,26.375) ; R49.2@29.55,12.95 29.573,12.973 30.249,12.973 v1(30.272,12.995) ; v1(32.375,27.025) P16.1@32.375,28.7
  other v1: 33.005,16.505 32.98,17.28 32.98,18.055 29.725,37.55 30.625,37.55 28.825,37.575
+P_24V: P6.1 R13.2 R19.2 | length 3.2
  Top Layer w0.508: v1(50.025,22.125) 50.286,22.125 51.111,22.95 R13.2@51.111,23.1 ; R19.2@57.414,23.3 57.414,23.15 57.8,23.15 v1(58.6,22.35)
A7_LED: D13.1 U2.3 | length 8.5
  Top Layer w0.254: v1(51.25,55.9) 52.7,55.9 U2.3@52.725,55.875
  Bottom Layer w0.254: D13.1@51.175,62.9 D13.1@51.25,62.825 v1(51.25,55.9)
ADC1_IN1: R32.1 R36.2 U6.8 | length 34
  Top Layer w0.254: U6.8@33.369,43.045 34.82,43.045 v1(34.906,43.131) ; R32.1@39.185,13.65 v1(39.185,14.435)
  Top Layer w0.508: R36.2@37.975,13.575 R36.2@37.983,13.568 ; R36.2@38,13.65 R32.1@39.185,13.65
  Bottom Layer w0.254: v1(34.906,43.131) 34.906,20.681 39.185,16.402 v1(39.185,14.435)
ADC2_IN1: R40.1 R42.2 U6.9 | length 35.1
  Top Layer w0.254: U6.9@33.369,42.545 35.746,42.546 v1(35.75,42.55) ; R40.1@41.725,13.65 v1(41.725,14.5)
  Top Layer w0.508: R42.2@40.412,13.662 R42.2@40.4,13.65 R40.1@41.725,13.65
  Bottom Layer w0.254: v1(35.75,42.55) 35.75,39.563 38.9,36.413 38.9,26.987 40.364,25.523 40.364,17.236 41.725,15.875 v1(41.725,14.5)
ADC2_IN2: R41.1 R43.2 U6.10 | length 36
  Top Layer w0.254: U6.10@33.369,42.045 33.378,42.036 36.389,42.036 v1(36.4,42.025) ; R41.1@44.265,13.65 v1(44.265,14.51)
  Top Layer w0.508: R43.2@42.95,13.6 42.95,13.604 42.971,13.625 44.244,13.625 44.265,13.646 R41.1@44.265,13.65
  Bottom Layer w0.254: v1(36.4,42.025) 36.4,39.675 40.125,35.95 40.125,26.337 42.904,23.558 42.904,18.434 44.265,17.073 v1(44.265,14.51)
BAT_IRQ: R6.1 U5.4 U6.61 | length 51.2
  Top Layer w0.152: U5.4@17.175,11.95 17.226,12.001 19.126,12.001 19.675,12.55 19.675,13.5 20.65,14.475 22.125,14.475 22.375,14.725 22.375,17.863 24.175,19.663 24.175,27.175 25,28 28.875,28 29.825,28.95 29.825,34.125 v1(31.275,35.575) ; v1(35.1,45.575) 36.819,47.294 U6.61@36.819,48.495 36.819,49.419 37.525,50.125 R6.1@37.8,50.125 R6.1@37.825,50.125
  Bottom Layer w0.152: v1(31.275,35.575) 31.275,41.75 v1(35.1,45.575)
BMP_EN: P26.1 Q5.1 R66.2 U6.40 | length 54
  Top Layer w0.254: U6.40@44.769,42.545 v1(45.855,42.545) ; v1(50.565,41.025) 67.07,41.025 68.225,39.87 68.225,37.375 63.175,32.325 63.175,31.05 v1(62.475,30.35)
  Top Layer w0.381: Q5.1@61.434,16.7 61.569,16.565 61.569,15.915 62.384,15.1 R66.2@62.409,15.1 v1(62.409,16.1)
  Bottom Layer w0.254: v1(45.855,42.545) 46.405,42.545 47.35,41.6 49.99,41.6 v1(50.565,41.025) ; P26.1@62.384,17.575 62.175,17.784 62.475,18.084 v1(62.475,30.35)
  Bottom Layer w0.381: P26.1@62.384,17.575 62.409,17.55 v1(62.409,16.1)
BOOT: C50.2 P14.1 R54.1 U11.12 | length 15
  Top Layer w0.381: C50.2@48.752,70.9 48.739,70.888 48.739,69.637 R54.1@48.727,69.625 46.48,69.625 U11.12@46.475,69.63 45.775,69.63 44.35,71.055 44.35,71.89 45.147,72.687 48.587,72.687 P14.1@50.375,74.475 P14.1@49.815,75.035
BOOT_DBG_RX: P10.1 U6.43 | length 60.6
  Top Layer w0.254: v1(41.914,41.539) 41.952,41.577 41.952,42.101 43.886,44.036 44.76,44.036 U6.43@44.769,44.045
  Bottom Layer w0.254: v1(41.914,41.539) 41.914,33.424 43.088,32.25 43.088,28.952 42.996,28.859 42.996,24.616 43.717,23.895 43.717,21.249 52.285,12.681 70.61,12.681 72.118,11.173 73.912,11.173 P10.1@74.585,10.5
BOOT_DBG_TX: P10.2 U6.42 | length 63.4
  Top Layer w0.254: v1(42.925,42.2) 42.925,42.5 43.961,43.536 44.76,43.536 U6.42@44.769,43.545 47.155,43.545 v1(47.17,43.53) ; v1(48.975,43.53) 51.055,41.45 71.275,41.45 77.225,35.5 v1(77.225,32.975)
  Bottom Layer w0.254: v1(47.17,43.53) v1(48.975,43.53) ; P10.2@77.125,10.5 77.225,10.6 v1(77.225,32.975)
CHARGER: C18.2 C29.2 C64.2 C65.2 D2.1 D4.1 D5.1 D6.1 L2.2 P18.1 R63.1 U4.1 U4.2 | length 14.4
  Top Layer w0.254: v1(12.4,17.85) 12.4,18.352 12.848,18.8 L2.2@12.85,18.8 13.25,18.4 C29.2@13.25,17.15 13.263,17.137 13.263,15.952 13.265,15.95 C18.2@13.275,15.95 v1(14.125,15.95) ; C64.2@16.6,21.275 16.55,21.225 C64.2@16.625,21.225 ; C65.2@21.475,21.225 C65.2@22.623,20.077 ; v1(23.475,16.6) R63.1@23.475,17.475
  Bottom Layer w0.254: v1(12.4,17.85) 12.4,16.775 P18.1@12.75,16.425 P18.1@13.225,15.95 ; D2.1@12.9,24.75 14.85,24.75 14.875,24.725 v1(16.05,24.725) ; v1(14.95,19.425) 16.2,19.425 D5.1@16.25,19.475
  other v1: 23.462,15.387 14.125,16.55 23.275,20.2 18.4,20.3 23.25,20.8 18.4,20.925 23.25,21.425 18.4,21.575 21.137,21.712 23.25,22.1 18.4,22.15